# KiCad board boatcontrol.kicad_pcb (continued)
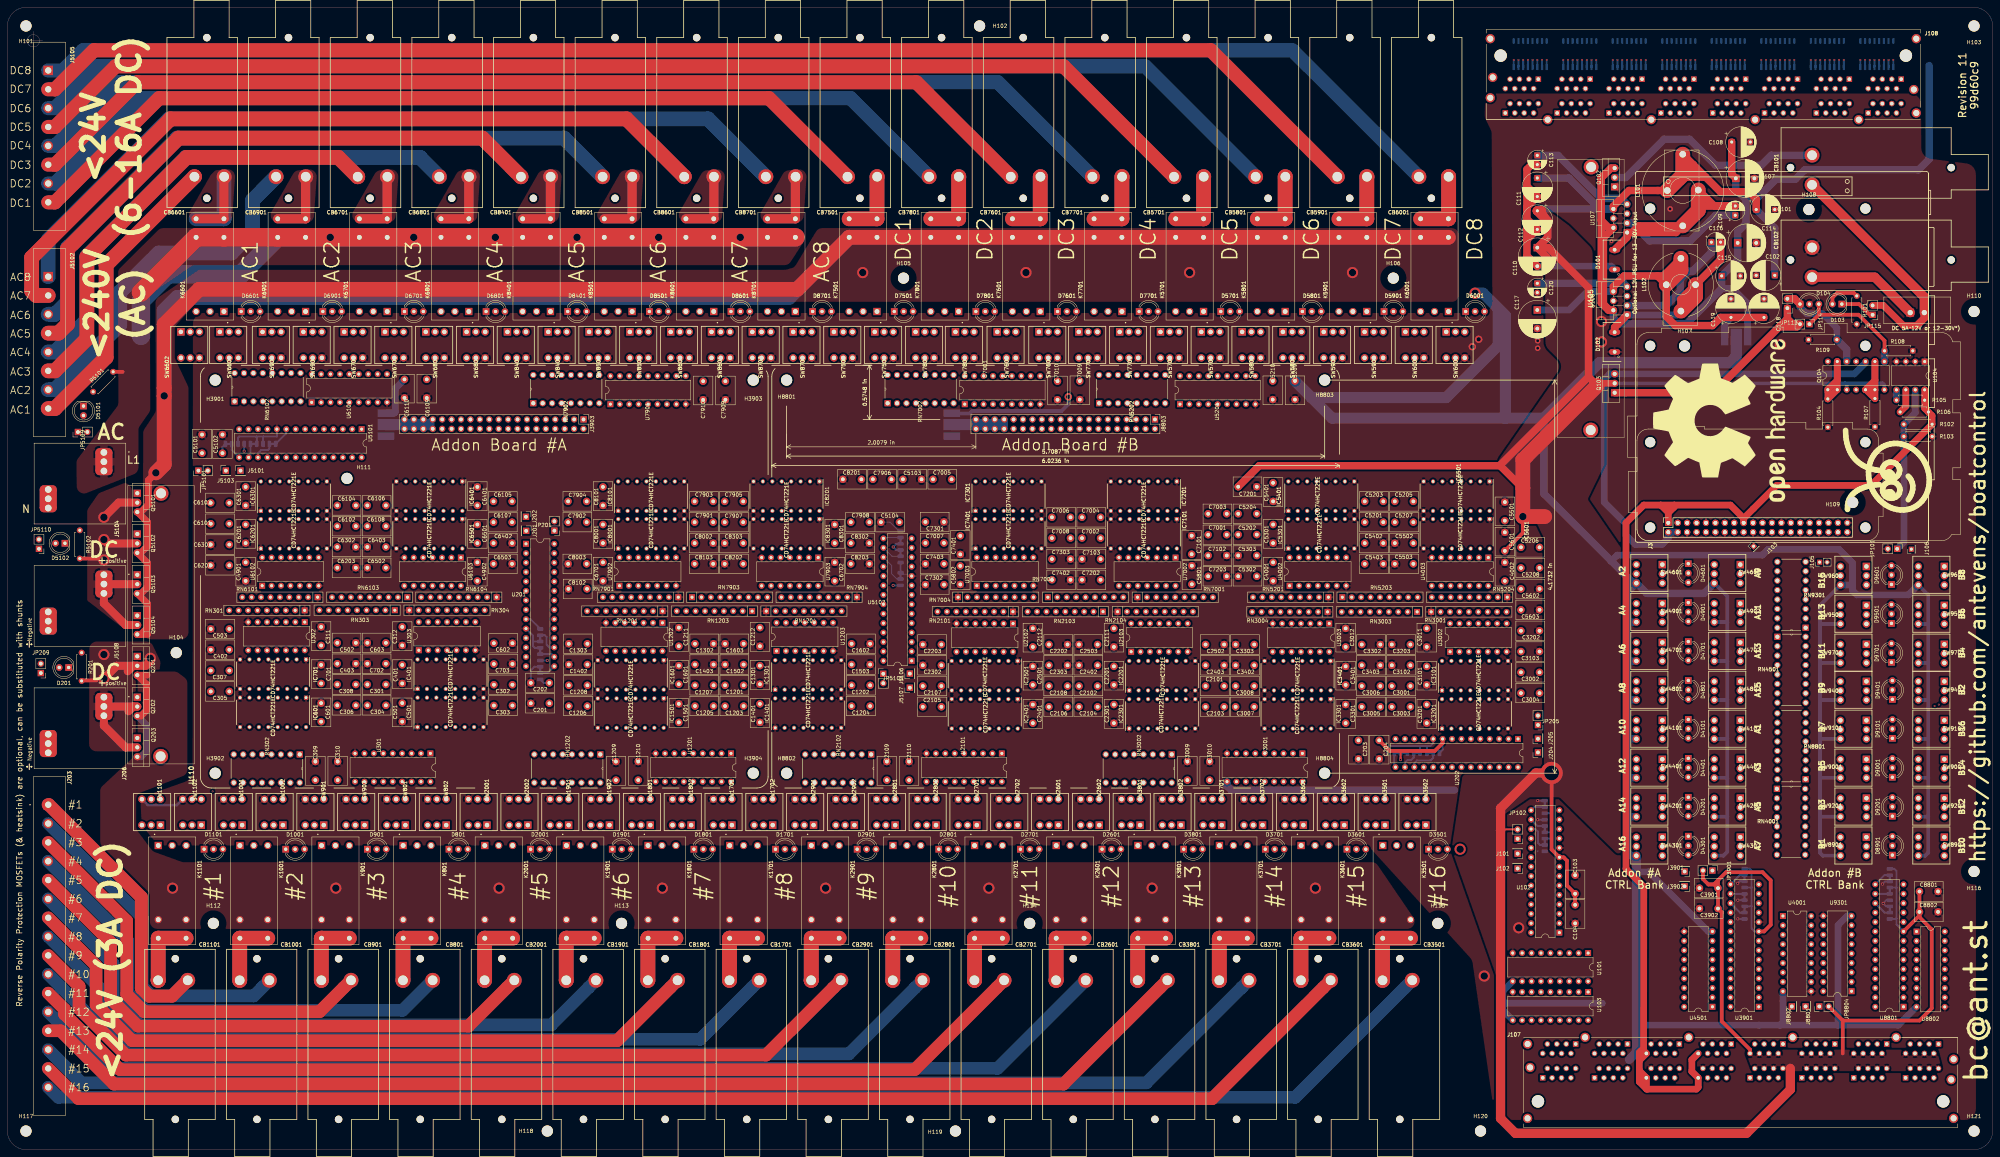
[diagram p0: board, top side]
## Routing (per net, layer and track width the routed paths; a pad name or vN(x,y) marks a point on that pad's centre or on a via; arc(x,y) is an arc through that point) (continued)
  In1.Cu w0.25: IC6301.11 81,177.31 IC6301.4
Net-(IC6301-Pad12): length 10
  In1.Cu w0.25: IC6301.3 78.47,177.31 IC6301.12
Net-(IC6401-Pad2): length 21.7
  In1.Cu w0.25: U6103.3 119.11,161.64 119.11,179.23 IC6401.2
Net-(IC6401-Pad10): length 13.5
  In1.Cu w0.25: 107.35,172.23 108.3,171.29 108.3,160.85 U6103.6
Net-(IC6401-Pad11): length 10
  In1.Cu w0.25: IC6401.4 109.9,175.09 IC6401.11
Net-(IC6401-Pad12): length 10
  In1.Cu w0.25: IC6401.3 112.44,175.09 IC6401.12
Net-(IC6501-Pad2): length 28.2
  In1.Cu w0.25: U6103.8 109.83,154.9 v4(110.4,154.9)
  In2.Cu w0.25: v4(110.4,154.9) 114.82,154.9 118.4,158.48 118.4,160.4 117.8,161 117.21,161 116.57,161.63 116.57,163.12 120.06,166.6 IC6501.2
Net-(IC6501-Pad10): length 15.4
  In1.Cu w0.25: U6103.11 110.96,155.65 109.22,155.65 105.76,159.11 105.76,160.49 107.35,162.08
Net-(IC6501-Pad11): length 10
  In1.Cu w0.25: IC6501.4 114.97,167.16 IC6501.11
Net-(IC6501-Pad12): length 10
  In1.Cu w0.25: IC6501.3 117.51,167.16 IC6501.12
Net-(IC7101-Pad2): length 12.1
  In2.Cu w0.25: IC7101.2 312.61,166.75 309.12,163.27 309.12,161.63 309.72,161.04 U7002.3
Net-(IC7101-Pad10): length 3.3
  In1.Cu w0.25: U7002.6 302.1,159.89 IC7101.10
Net-(IC7101-Pad11): length 10
  In2.Cu w0.25: IC7101.4 302.44,164.94 IC7101.11
Net-(IC7101-Pad12): length 10
  In2.Cu w0.25: IC7101.3 304.99,164.94 IC7101.12
Net-(IC7201-Pad2): length 33.5
  In1.Cu w0.25: U7002.8 299.56,155.11 303.4,158.95 303.4,161.25 303.75,161.6 v4(303.75,163.16)
  In2.Cu w0.25: v4(303.75,163.16) 303.75,164.55 308.85,169.65 308.85,175.62 312.61,179.37 IC7201.2
Net-(IC7201-Pad10): length 34.3
  In1.Cu w0.25: v4(298.26,165.65) 298.51,165.9 308.35,165.9 v4(308.73,165.53) ; v4(306.28,163.16) 306.28,161.27 305.91,160.9 305.91,158.34 307.18,157.07 U7002.11
  In2.Cu w0.25: v4(306.28,163.16) 308.64,165.53 v4(308.73,165.53) ; IC7201.10 301.21,170.93 301.21,168.6 v4(298.26,165.65)
Net-(IC7201-Pad11): length 10
  In2.Cu w0.25: IC7201.11 302.44,175.09 IC7201.4
Net-(IC7201-Pad12): length 10
  In2.Cu w0.25: IC7201.3 304.99,175.09 IC7201.12
Net-(IC7301-Pad2): length 24.2
  In1.Cu w0.25: v4(263.9,165.8) 262.2,164.1 262.2,161.35 262.65,160.9 264.3,160.9 265.05,160.15 265.05,153.33 U7003.3
  In2.Cu w0.25: IC7301.2 263.44,171.43 264.39,170.49 264.39,166.29 v4(263.9,165.8)
Net-(IC7301-Pad10): length 35.3
  In1.Cu w0.25: v4(273.95,154) 273.95,157.93 272.7,159.18 272.7,160.9 272.45,161.15 v4(272.45,165.15)
  In2.Cu w0.25: v4(272.45,165.15) 269.12,165.15 268.77,165.51 268.77,166.11 272.35,169.69 272.35,173.15 276.14,176.94 276.14,180.17 ; U7003.6 v4(273.95,154)
Net-(IC7301-Pad11): length 10
  In2.Cu w0.25: 268.52,172.23 268.52,175.09 IC7301.11
Net-(IC7301-Pad12): length 10
  In2.Cu w0.25: IC7301.3 265.99,175.09 IC7301.12
Net-(IC7401-Pad2): length 14
  In2.Cu w0.25: IC7401.2 264.58,160.95 275.21,160.95 U7003.8
Net-(IC7401-Pad10): length 13.9
  In1.Cu w0.25: U7003.11 269.8,160.6 269.8,164.62 v4(270.99,165.81)
  In2.Cu w0.25: 276.14,170.02 275.2,170.02 v4(270.99,165.81)
Net-(IC7401-Pad11): length 10
  In1.Cu w0.25: v4(269.39,165.81) 268.52,164.94 268.52,162.08
  In2.Cu w0.25: IC7401.11 v4(269.39,165.81)
Net-(IC7401-Pad12): length 10
  In1.Cu w0.25: v4(266.82,165.78) 265.99,164.94 IC7401.3
  In2.Cu w0.25: IC7401.12 v4(266.82,165.78)
Net-(IC8001-Pad2): length 11.2
  In1.Cu w0.25: U7902.3 170.03,157.17 168.75,158.45 168.75,160.48 IC8001.2
Net-(IC8001-Pad10): length 20.5
  In1.Cu w0.25: IC8001.10 178.9,169.08 178.9,161.85 178.05,161 177.24,161 176.3,160.06 176.3,159.19 177.65,157.84 U7902.6
Net-(IC8001-Pad11): length 10
  In1.Cu w0.25: IC8001.4 177.31,167.16 IC8001.11
Net-(IC8001-Pad12): length 10
  In1.Cu w0.25: IC8001.3 174.76,167.16 174.76,170.02
Net-(IC8101-Pad2): length 27.4
  In1.Cu w0.25: v4(175.6,157.2) 173.21,157.2 171.3,159.11 171.3,160.6 170.9,161 168.93,161 168.4,161.53 168.4,170.98 IC8101.2
  In2.Cu w0.25: v4(175.6,157.2) 178.85,157.2 180.19,158.54 U7902.8
Net-(IC8101-Pad10): length 24.4
  In1.Cu w0.25: U7902.11 173.9,161 175.4,161 176.05,161.65 176.05,162.8 178.4,165.15 178.4,172.62 179.84,174.06 v4(179.84,176)
  In2.Cu w0.25: IC8101.10 v4(179.84,176)
Net-(IC8101-Pad11): length 11
  In1.Cu w0.25: v4(177.31,176) 174.7,173.4 173.39,173.4 IC8101.4 172.22,172.38
  In2.Cu w0.25: IC8101.11 v4(177.31,176)
Net-(IC8101-Pad12): length 10.9
  In1.Cu w0.25: 169.69,172.34 IC8101.3 171.36,173.9 172.7,173.9 v4(174.76,175.97)
  In2.Cu w0.25: 174.76,180.17 v4(174.76,175.97)
Net-(IC8201-Pad2): length 23
  In1.Cu w0.25: U7903.3 215.05,161.28 215.05,165.2 217.9,168.06 217.9,174.5 v4(216.35,176.05)
  In2.Cu w0.25: IC8201.2 216.31,176.09 v4(216.35,176.05)
Net-(IC8201-Pad10): length 13.5
  In1.Cu w0.25: 203.6,172.23 205,170.84 v4(205,163.3)
  In2.Cu w0.25: v4(205,163.3) 205,160.45 U7903.6
Net-(IC8201-Pad11): length 10.8
  In1.Cu w0.25: v4(211.25,176.05) 209.96,176.05 IC8201.11
  In2.Cu w0.25: 211.22,180.17 211.22,176.07 v4(211.25,176.05)
Net-(IC8201-Pad12): length 10.8
  In1.Cu w0.25: IC8201.12 212.5,176.05 v4(213.8,176.05)
  In2.Cu w0.25: v4(213.8,176.05) 213.76,176.09 213.76,180.17
Net-(IC8301-Pad2): length 24.3
  In1.Cu w0.25: U7903.8 203.26,155.35 203.25,155.36 207.16,159.28 207.16,160.36 207.75,160.95 209.25,160.95 209.95,161.65 209.95,162.64 215.67,168.37 215.67,169.39 IC8301.2
Net-(IC8301-Pad10): length 13.1
  In2.Cu w0.25: 203.6,162.08 204.5,161.19 204.5,158.41 U7903.11
Net-(IC8301-Pad11): length 10
  In1.Cu w0.25: 211.22,170.02 211.22,167.16 IC8301.11
Net-(IC8301-Pad12): length 10
  In1.Cu w0.25: 213.76,170.02 213.76,167.16 IC8301.12
Net-(J101-Pad1): length 4.3
  In1.Cu w0.25: J101.1 409.07,79.8 U102.19
Net-(J102-Pad1): length 4.9
  In1.Cu w0.25: U102.20 407.61,75.8 J102.1
Net-(J103-Pad1): length 15.9
  In2.Cu w0.25: J103.1 471.55,162.7 472.33,163.47 472.33,164.4 471.98,164.75 462.03,164.75 J3.12
Net-(J105-Pad1): length 18.3
  In1.Cu w0.25: J105.1 487.22,158.4 485.41,160.21 479.91,160.21 478.32,161.8 476.59,161.8 475.54,162.85 J3.24
Net-(J105-Pad2): length 17.9
  In1.Cu w0.25: J3.26 478.08,162.75 480.12,160.71 488.09,160.71 J105.2
Net-(J106-Pad1): length 53.1
  In1.Cu w0.25: J3.18 469.19,167.75 471.04,167.75 471.7,167.09 471.7,165.99 476.39,161.3 478.12,161.3 479.7,159.71 485.2,159.71 487.5,157.42 487.5,157.35 492.06,157.35 495.24,160.52 512.65,160.52 513.1,160.97 J106.1
Net-(J107-PadA_1): length 19.7
  In1.Cu w0.25: U101.14 417.2,44.02 417.2,37.8 419.74,35.26 419.74,32.36 422.64,29.46 J107.A_1
Net-(J107-PadA_3): length 19.7
  In1.Cu w0.25: U101.13 414.48,44.2 414.48,37.98 417.2,35.25 417.2,31.37 J107.A_3
Net-(J107-PadA_5): length 19.7
  In1.Cu w0.25: J107.A_5 414.5,31.54 414.5,35.42 412.12,37.79 412.12,44.02 U101.12
Net-(J107-PadA_7): length 19.7
  In1.Cu w0.25: U101.11 409.4,44.2 409.4,37.98 412.12,35.25 412.12,31.37 J107.A_7
Net-(J107-PadB_1): length 21.3
  In1.Cu w0.25: J107.B_1 436.62,29.46 427.18,38.9 427.18,44.2 U101.18
Net-(J107-PadB_3): length 21.3
  In1.Cu w0.25: J107.B_3 424.64,37.91 424.64,44.2 U101.17
Net-(J107-PadB_5): length 21.8
  In1.Cu w0.25: U101.16 422.1,44.2 422.1,37.98 424.64,35.44 424.64,34.51 429.93,29.21 430.8,29.21 J107.B_5
Net-(J107-PadB_7): length 22
  In1.Cu w0.25: J107.B_7 428.26,29.21 428.26,29.59 425.96,31.88 424.72,31.88 422.28,34.32 422.28,35.22 419.74,37.76 419.74,42.88 418.38,44.25 U101.15
Net-(J107-PadI_1): length 17.8
  In2.Cu w0.25: U103.11 411.3,31.8 411.3,23.57 413.75,21.12 J107.I_1
Net-(J107-PadI_3): length 17.8
  In2.Cu w0.25: J107.I_3 416.3,24.28 415,25.58 415,26.85 412.5,29.35 412.5,33.14 U103.12
Net-(J107-PadI_5): length 17.8
  In2.Cu w0.25: J107.I_5 418.83,22.27 417.72,23.38 417.72,26.15 416.45,27.42 416.45,31.73 U103.13
Net-(J107-PadI_7): length 17.8
  In2.Cu w0.25: J107.I_7 421.38,22.27 420.26,23.38 420.26,26.15 418.68,27.73 418.68,31.54 415.84,34.38 U103.14
Net-(J107-PadJ_1): length 19.4
  In2.Cu w0.25: U103.15 421.5,31.76 421.5,27.5 427.73,21.27 J107.J_1
Net-(J107-PadJ_3): length 20.6
  In2.Cu w0.25: U103.16 423.92,31.88 425.96,31.88 427.88,29.96 427.88,27.42 429.15,26.15 429.15,23.38 430.26,22.27 J107.J_3
Net-(J107-PadJ_5): length 19.9
  In2.Cu w0.25: U103.17 424.26,34.08 425.03,34.08 430.11,29 430.11,27.73 431.69,26.15 431.69,23.38 432.81,22.27 J107.J_5
Net-(J107-PadJ_7): length 20.1
  In2.Cu w0.25: J107.J_7 435.35,22.58 434.23,23.69 434.23,26.15 432.96,27.42 432.96,29.05 427.13,34.88 U103.18
Net-(J108-PadA_1): length 17.8
  In2.Cu w0.25: J108.A_1 500.49,279.53 499.36,280.67 v8(499.36,293.85)
  Bottom w0.508: v8(499.36,293.85) 499.36,291.85
Net-(J108-PadA_3): length 19.7
  In2.Cu w0.25: J108.A_3 504.02,283.3 503.21,284.11 500.93,284.11 499.86,285.18 499.86,293.08 v8(500.62,293.85)
  Bottom w0.508: v8(500.62,293.85) RN108.7
Net-(J108-PadA_5): length 33.3
  In2.Cu w0.25: v8(501.89,293.85) 503.02,294.98 508.75,294.98 509.43,294.3 509.43,293.08 512.22,290.28 512.22,287.46 511.85,287.08 511.85,280.17 509.56,277.88 507.16,277.88 506.56,278.48 J108.A_5
  Bottom w0.508: v8(501.89,293.85) RN108.6
Net-(J108-PadA_7): length 25
  In2.Cu w0.25: v8(503.16,293.85) 503.79,294.48 508.55,294.48 508.93,294.09 508.93,292.87 511.72,290.08 511.72,287.66 510.45,286.39 510.45,285.5 509.1,284.15 J108.A_7
  Bottom w0.508: v8(503.16,293.85) RN108.5
Net-(J108-PadB_1): length 16.9
  In2.Cu w0.25: v8(486.01,293.85) 486.01,282.02 487.51,280.52 J108.B_1
  Bottom w0.508: v8(486.01,293.85) RN107.8
Net-(J108-PadB_3): length 25.7
  In2.Cu w0.25: v8(487.28,293.85) 487.28,294.2 487.01,294.48 485.71,294.48 485.39,294.15 485.39,278.82 486.45,277.76 488.28,277.76 J108.B_3
  Bottom w0.508: v8(487.28,293.85) RN107.7
Net-(J108-PadB_5): length 32.2
  In2.Cu w0.25: v8(488.55,293.85) 489.68,294.98 495.41,294.98 498.51,291.88 498.51,280.67 496.25,278.42 493.7,278.42 J108.B_5
  Bottom w0.508: v8(488.55,293.85) RN107.6
Net-(J108-PadB_7): length 25.5
  In2.Cu w0.25: J108.B_7 496.18,279.53 498.01,281.36 498.01,291.67 495.2,294.48 490.45,294.48 v8(489.82,293.85)
  Bottom w0.508: v8(489.82,293.85) RN107.5
Net-(J108-PadC_1): length 18.3
  In2.Cu w0.25: v8(472.67,293.85) 471.47,292.65 471.47,280.61 472.55,279.53 J108.C_1
  Bottom w0.508: v8(472.67,293.85) RN106.8
Net-(J108-PadC_3): length 19.9
  In2.Cu w0.25: v8(473.94,293.85) 473.94,291.03 471.97,289.06 471.97,285.5 472.99,284.49 474.77,284.49 476.08,283.17 J108.C_3
  Bottom w0.508: v8(473.94,293.85) RN106.7
Net-(J108-PadC_5): length 32.2
  In2.Cu w0.25: J108.C_5 480.14,278.01 481.7,278.01 484.54,280.85 484.54,292.5 482.07,294.98 476.33,294.98 v8(475.21,293.85)
  Bottom w0.508: v8(475.21,293.85) RN106.6
Net-(J108-PadC_7): length 25.5
  In2.Cu w0.25: v8(476.48,293.85) 477.1,294.48 481.86,294.48 484.04,292.3 484.04,281.06 482.51,279.53 J108.C_7
  Bottom w0.508: v8(476.48,293.85) RN106.5
Net-(J108-PadD_1): length 17.3
  In2.Cu w0.25: J108.D_1 459.57,281.27 458.26,282.58 458.26,292.78 v8(459.33,293.85)
  Bottom w0.508: v8(459.33,293.85) RN105.8
Net-(J108-PadD_3): length 25.7
  In2.Cu w0.25: v8(460.6,293.85) 459.97,294.48 458.97,294.48 457.76,293.26 457.76,278.64 458.64,277.76 460.34,277.76 J108.D_3
  Bottom w0.508: v8(460.6,293.85) RN105.7
Net-(J108-PadD_5): length 31.3
  In2.Cu w0.25: J108.D_5 465.76,278.42 468.06,278.42 470.31,280.67 470.31,293.39 468.72,294.98 462.99,294.98 v8(461.87,293.85)
  Bottom w0.508: v8(461.87,293.85) RN105.6
Net-(J108-PadD_7): length 24.8
  In2.Cu w0.25: J108.D_7 468.24,279.53 469.81,281.11 469.81,293.18 468.52,294.48 463.76,294.48 v8(463.14,293.85)
  Bottom w0.508: v8(463.14,293.85) RN105.5
Net-(J108-PadE_1): length 18.7
  In2.Cu w0.25: v8(445.98,293.85) 443.66,291.53 443.66,280.49 444.62,279.53 J108.E_1
  Bottom w0.508: v8(445.98,293.85) RN104.8
Net-(J108-PadE_3): length 20.1
  In2.Cu w0.25: v8(447.25,293.85) 447.25,291.9 444.16,288.81 444.16,285.5 445.3,284.36 446.7,284.36 448.15,282.91 J108.E_3
  Bottom w0.508: v8(447.25,293.85) RN104.7
Net-(J108-PadE_5): length 31.3
  In2.Cu w0.25: J108.E_5 451.8,278.42 453.87,278.42 456.72,281.27 456.72,293.63 455.38,294.98 449.65,294.98 v8(448.52,293.85)
  Bottom w0.508: v8(448.52,293.85) RN104.6
Net-(J108-PadE_7): length 25.1
  In2.Cu w0.25: J108.E_7 454.28,279.53 456.22,281.48 456.22,293.42 455.17,294.48 450.07,294.48 449.79,294.2 v8(449.79,293.85)
  Bottom w0.508: v8(449.79,293.85) RN104.5
Net-(J108-PadF_1): length 18.9
  In2.Cu w0.25: J108.F_1 430.65,279.53 429.69,280.49 429.69,286.85 430.83,288 430.83,289.78 432.64,291.58 v8(432.64,293.85)
  Bottom w0.508: v8(432.64,293.85) RN103.8
Net-(J108-PadF_3): length 20.5
  In2.Cu w0.25: J108.F_3 434.18,283.16 432.73,284.62 431.08,284.62 430.19,285.5 430.19,286.65 431.33,287.79 431.33,289.57 433.91,292.15 v8(433.91,293.85)
  Bottom w0.508: v8(433.91,293.85) RN103.7
Net-(J108-PadF_5): length 30.9
  In2.Cu w0.25: J108.F_5 437.83,278.42 439.9,278.42 442.66,281.17 442.66,294.36 442.04,294.98 436.31,294.98 v8(435.18,293.85)
  Bottom w0.508: v8(435.18,293.85) RN103.6
Net-(J108-PadF_7): length 24.5
  In2.Cu w0.25: J108.F_7 440.31,279.53 442.16,281.38 442.16,294.15 441.83,294.48 437.08,294.48 v8(436.45,293.85)
  Bottom w0.508: v8(436.45,293.85) RN103.5
Net-(J108-PadG_1): length 19.2
  In2.Cu w0.25: J108.G_1 416.67,279.53 415.72,280.48 415.72,288.12 419.3,291.7 v8(419.3,293.85)
  Bottom w0.508: v8(419.3,293.85) RN102.8
Net-(J108-PadG_3): length 20.5
  In2.Cu w0.25: v8(420.57,293.85) 420.57,292.27 416.22,287.92 416.22,285.5 417.62,284.11 418.89,284.11 420.2,282.79 J108.G_3
  Bottom w0.508: v8(420.57,293.85) RN102.7
Net-(J108-PadG_5): length 33
  In2.Cu w0.25: v8(421.84,293.85) 423.39,295.4 428.75,295.4 429.55,294.6 429.55,287.96 428.51,286.92 428.51,280.14 426.25,277.88 424.39,277.88 J108.G_5
  Bottom w0.508: v8(421.84,293.85) RN102.6
Net-(J108-PadG_7): length 25.6
  In2.Cu w0.25: v8(423.11,293.86) 424.15,294.9 428.54,294.9 429.05,294.39 429.05,288.17 428.01,287.13 428.01,281.21 426.33,279.53 J108.G_7
  Bottom w0.508: v8(423.11,293.86) RN102.5
Net-(J108-PadH_1): length 18.3
  In2.Cu w0.25: v8(405.95,293.85) 405.95,293.4 403.39,290.84 403.39,288.3 402.39,287.3 402.38,281.95 403.69,280.63 J108.H_1
  Bottom w0.508: v8(405.95,293.85) RN101.8
Net-(J108-PadH_3): length 27.2
  In2.Cu w0.25: J108.H_3 406.23,278.48 405.63,277.88 402.63,277.88 401.87,278.65 401.89,287.3 401.89,287.5 402.89,288.51 402.89,291.71 405.65,294.48 406.6,294.48 v8(407.23,293.85)
  Bottom w0.508: v8(407.23,293.85) RN101.7
Net-(J108-PadH_5): length 32.3
  In2.Cu w0.25: J108.H_5 409.88,278.42 411.95,278.42 414.54,281 414.54,287.81 416.35,289.62 416.35,290.08 416.34,294.35 415.28,295.4 410.05,295.4 v8(408.5,293.85)
  Bottom w0.508: v8(408.5,293.85) RN101.6
Net-(J108-PadH_7): length 25.9
  In2.Cu w0.25: J108.H_7 412.36,279.53 414.04,281.21 414.04,288.02 415.84,289.82 415.84,294.14 415.08,294.9 410.82,294.9 v8(409.76,293.85)
  Bottom w0.508: v8(409.76,293.85) RN101.5
Net-(J201-Pad1): length 30.1
  In2.Cu w0.25: J201.1 140.9,166.85 141.85,165.9 141.85,146.01 U201.19
Net-(J202-Pad1): length 31.4
  In2.Cu w0.25: U201.20 142.35,148.05 142.35,169.15 140.85,170.65 J202.1
Net-(J204-Pad1): length 30.5
  In2.Cu w0.25: U202.19 385.42,104.3 410.79,104.3 412.48,105.99 J204.1
Net-(J205-Pad1): length 35.6
  In2.Cu w0.25: J205.1 413.58,110.79 414.02,110.35 414.02,105.77 410.2,101.95 387.96,101.95 U202.20
Net-(J206-Pad2_1): length 76.1
  In1.Cu w1: JP209.1 9,114 J206.2_1 J206.2_3
  In2.Cu w2: J206.2_2 24.45,109.5 29.9,114.95 31,114.95 ; 31,121 31,132 32,133 Q201.1 ; 31,121 31,114.95 ; 31,121 32,122 Q202.1 ; Q203.1 34.95,111 31,114.95
Net-(J3903-Pad33): length 23
  Bottom w1.8: J3903.33 113.6,195.88 ; 113.6,195.88 113.6,195.5 ; 113.6,195.88 113.6,195.38 J3903.34
  Bottom w2: J3903.35 J3903.36 ; J3903.37 J3903.38 ; J3903.39 J3903.40
  Bottom w3: JP8701.2 113.6,195.5
Net-(J5101-Pad1): length 11.3
  In2.Cu w0.25: U5101.19 69.05,183.09 J5101.1
Net-(J5103-Pad1): length 19.6
  In2.Cu w0.25: U5101.20 70.1,181.6 59.26,181.6 58.87,181.99 J5103.1
Net-(J5104-Pad2_1): length 19.9
  In2.Cu w1: JP5109.1 17.15,193.5 11,187.35 J5104.2_1
Net-(J5106-Pad1): length 35.7
  In2.Cu w0.25: U5102.19 232.63,151.21 232.63,140.22 234.4,138.44 234.4,131.03 235.88,129.55 237.59,129.55 238.79,128.35 J5106.1
Net-(J5107-Pad1): length 39.2
  In2.Cu w0.25: J5107.1 243.2,125.65 244.45,126.9 244.45,129.48 243.88,130.05 236.09,130.05 234.9,131.24 234.9,138.65 233.13,140.43 233.13,150.3 234.95,152.12 U5102.20
Net-(J5108-Pad2_1): length 87.5
  In1.Cu w1: J5108.2_1 11,161.35 10.35,162 JP5110.1
  In2.Cu w2: Q5104.1 32,144 31.4,144.6 ; 31.4,165.5 31.4,155.6 ; 31.4,165.5 31.9,166 Q5102.1 ; 31.4,165.5 31.4,176.4 32,177 Q5101.1 ; 31.4,155.6 32,155 Q5103.1 ; 31.4,155.6 31.4,144.6 ; 31.4,144.6 29.3,142.5 J5108.2_2
Net-(J8803-Pad33): length 23.7
  Bottom w2: J8803.33 J8803.34 ; J8803.35 J8803.36 ; J8803.37 J8803.38 ; J8803.39 J8803.40
  Bottom w3: JP210.2 268,195.5
Net-(JP101-Pad1): length 44.9
  Bottom w1.8: U104.7 514.16,198.68 R102.2 511.08,192.32 R103.1 511.1,163.8 JP101.1
Net-(JP102-Pad1): length 3.7
  In1.Cu w0.25: JP102.1 407.1,83.9 U102.18
Net-(JP103-Pad2): length 7.2
  Bottom w0.508: U102.17 411.76,86.44 412.5,85.7 412.5,82.69 413.04,82.15 JP103.2
Net-(JP104-Pad2): length 4.4
  Bottom w0.508: U102.16 412.36,87.25 JP104.2
Net-(JP105-Pad2): length 4
  Bottom w0.508: U102.15 411.51,92.4 JP105.2
Net-(JP113-Pad1): length 67.8
  Top w1.8: JP114.2 482.26,221.75 477.35,221.75
  Top w2: JP114.2 481.15,222.6 479.7,224.05 ; 479.7,224.05 JP113.1 ; 479.7,224.05 459.75,204.1 Q103.1
Net-(JP201-Pad1): length 32.1
  In2.Cu w0.25: U201.18 148.55,139.13 148.55,143.59 147.93,144.21 147,144.21 146.19,145.01 146.19,166.79 146.3,166.9 JP201.1
Net-(JP202-Pad2): length 6.4
  Bottom w0.508: JP202.2 144.86,138.7 145.3,138.26 145.3,136.15 146.04,135.41 U201.17
Net-(JP203-Pad2): length 4.1
  Bottom w0.508: JP203.2 146.64,133.6 U201.16
Net-(JP204-Pad2): length 4.5
  Bottom w0.508: U201.15 145.54,128.5 JP204.2
Net-(JP205-Pad1): length 39.7
  In2.Cu w0.25: JP205.1 411.38,114.49 410.7,113.81 410.7,106.65 408.85,104.8 383.38,104.8 U202.18
Net-(JP206-Pad2): length 8.1
  Bottom w0.508: U202.17 379.17,104.25 379.87,104.95 383.55,104.95 384.25,105.65 JP206.2
Net-(JP207-Pad2): length 5.4
  Bottom w0.508: U202.16 376.63,104.33 377.35,105.05 378.31,105.05 379,105.74 JP207.2
Net-(JP208-Pad2): length 4
  Bottom w0.508: U202.15 373.75,103.46 JP208.2
Net-(JP5101-Pad1): length 20.7
  In2.Cu w0.25: U5101.18 68.67,185.25 52.52,185.25 51.46,184.19 JP5101.1
Net-(JP5102-Pad2): length 6
  Bottom w0.508: JP5102.2 70.6,189.04 70.21,188.65 68.4,188.65 67.53,187.78 U5101.17
Net-(JP5103-Pad2): length 3.9
  Bottom w0.508: U5101.16 65.5,187.16 JP5103.2
Net-(JP5104-Pad2): length 4.5
  Bottom w0.508: U5101.15 60.45,188.65 JP5104.2
Net-(JP5105-Pad1): length 33.5
  In2.Cu w0.25: JP5105.1 234.95,128.3 233.9,129.35 233.9,138.24 232.13,140.01 232.13,154.38 234.95,157.2 U5102.18
Net-(JP5106-Pad2): length 8.4
  Bottom w0.25: U5102.17 238.3,157.52 238.3,155.25 239.7,153.85 JP5106.2
Net-(JP5107-Pad2): length 5.6
  Bottom w0.25: U5102.16 238.36,160 JP5107.2
Net-(JP5108-Pad2): length 4.7
  Bottom w0.25: U5102.15 236.31,165.05 JP5108.2
Net-(Q104-Pad1): length 22.3
  Top w1.8: 493.08,204.9 R104.2 Q104.1 493.14,207.44 Q104.13 Q104.2
Net-(Q104-Pad5): length 24.7
  Top w1.8: Q104.6 Q104.9 503.3,207.44 Q104.5 ; Q104.6 R107.2 500.92,204.9 Q104.5 ; Q104.6 Q104.5
Net-(U101-Pad1): length 10.6
  In1.Cu w0.25: U101.1 426,54.05 421.55,58.5 U102.1
Net-(U101-Pad2): length 12.3
  In1.Cu w0.25: U101.2 419.46,57 417.47,57 417.07,57.4 417.07,59.86 U102.2
Net-(U101-Pad3): length 13.2
  In1.Cu w0.25: U101.3 419.74,54.18 419.59,54.18 416.57,57.19 416.57,61.9 U102.3
Net-(U101-Pad4): length 15
  In1.Cu w0.25: U101.4 416.07,55.31 416.07,63.94 U102.4
Net-(U101-Pad5): length 17.3
  In1.Cu w0.25: U101.5 415.04,53.8 415.04,65.45 U102.5
Net-(U101-Pad6): length 20.3
  In1.Cu w0.25: U101.6 413.3,66.25 U102.6
Net-(U101-Pad7): length 23.8
  In1.Cu w0.25: U101.7 410.76,54.13 412.8,56.17 412.8,68.29 U102.7
Net-(U101-Pad8): length 27.4
  In1.Cu w0.25: U101.8 412.3,57.08 412.3,70.33 U102.8
Net-(U102-Pad21): length 42.3
  In2.Cu w0.25: U103.1 426,43.64 424.82,44.82 424.82,53.37 421.2,57 417.47,57 417,57.47 417,69.91 U102.21
Net-(U102-Pad22): length 37.7
  In2.Cu w0.25: U103.2 422.28,43.68 422.28,53.37 419.16,56.5 417.27,56.5 416.5,57.27 416.5,67.87 U102.22
Net-(U102-Pad23): length 33
  In2.Cu w0.25: U102.23 416,65.83 416,57 418.82,54.18 418.94,54.18 419.74,53.37 419.74,43.68 U103.3
Net-(U102-Pad24): length 29.4
  In2.Cu w0.25: U102.24 415.5,63.79 415.5,55.08 417.2,53.37 417.2,43.68 U103.4
Net-(U102-Pad25): length 25.8
  In2.Cu w0.25: U103.5 414.66,43.68 414.66,62.09 U102.25
Net-(U102-Pad26): length 23.1
  In2.Cu w0.25: U102.26 413,61.21 413,54.18 412.74,54.18 412.12,53.56 412.12,43.68 U103.6
Net-(U102-Pad27): length 20.4
  In2.Cu w0.25: U102.27 411.81,59.86 411.81,55.78 409.58,53.56 409.58,43.68 U103.7
Net-(U102-Pad28): length 18
  In2.Cu w0.25: U103.8 407.04,43.68 407.04,54.91 U102.28

## Copper pours and planes (outline as drawn; the poured copper is in the pictures)
+5V on Top: 420.8,249.2 427.2,242.8 427.25,178 421.85,177.1 415.75,178.5 407.35,179.85 400.6,184.15 419.6,211.5 414.5,216.6 414.4,240.1 412.3,242.2 412.3,244.5 414.4,246.6 414.4,249.1 411.5,252.4 411.5,253.9 413.4,254.7
+5V on Top: 430.45,184.8 425.85,175.35 435.15,161.85 435.15,78.5 418.3,95 410.2,95 401.1,88.85 403.4,40.7 389.2,81.1 392.2,101.15 411.9,101.15 414.1,103.35 414.2,164.7 410.35,172.6 410.35,187.6 424.7,202 430.45,207.85
+5V on Top: 521.45,21.15 470.35,21.15 468.2,26.95 519.95,26.95
+5V on Bottom: 428.2,254.9 432.9,253.1 412.3,253.1 412.3,262 421,262.1
+5V on Bottom: 515.8,302.3 519.4,297.45 518.8,287.4 517.3,287.7 514.7,294.4 404.9,294.5 404.9,302.3
GND on Top: 530.5,265.6 530.5,8 400.95,8 394.75,51.15 366.65,82 40.6,82 36.2,87.5 35.8,94.9 49.9,99.9 50,225.6 400.2,225.6 400,274.5 398.1,278.4 398.3,284.8 515.7,284.8 515.8,267.5
GND on Bottom: 530.5,265.6 530.5,8 400.95,8 394.75,51.15 366.65,82 40.6,82 36.2,87.5 35.8,94.85 49.95,99.7 49.6,225.6 399.9,225.7 400,272.7 398.1,278.4 398.1,290.4 515.7,290.4 515.8,267.5
+12C on Top: 48.5,126.7 48.5,101.2 34.7,95.8 34.7,86.4 39.2,80.4 47.2,77.5 368.74,77.5 381,59.5 38.4,59.5 38.4,69.1 25,82.3 25,97.5 35.1,106.9 35.1,128.9 45.6,128.9
+12C on Bottom: 48.5,126.7 48.5,101.2 34.7,95.8 34.7,86.4 39.2,80.4 47.2,77.5 368.74,77.5 381,59.5 38.4,59.5 38.5,64 24.9,77.7 25,97.5 35.1,106.9 35.1,128.9 45.55,128.9
+12L on Top: 391.2,228.6 51.2,228.6 50,227.4 45.1,221.9 45.1,213.4 48.8,205.6 48.8,137.6 36.6,137.6 36.6,150.1 36.5,161.7 36.6,193.8 40,199 39.9,229.3 52.1,237.6 211.9,237.6 218.5,248.5 391.2,248.5
+12L on Bottom: 391.2,248.5 391.2,228.6 50.5,227.9 45.1,221.9 45.1,213.4 48.8,205.6 48.8,137.6 36.6,137.6 36.6,193.8 40.1,199.2 39.7,227.3 44.7,232.2 64.1,232.2 69.5,238.1 211.1,237.6 218.5,248.5
+12P on Bottom: 429.7,213.3 424.9,174.9 437.05,159.1 437,80.05 440.2,76.85 440.2,26.75 427.25,39.6 427,82 418.25,95 410.2,95 404.3,88.45 389.75,76.95 388.8,79.85 389.25,80.35 389.25,101.15 414.2,101.15 414.2,164.7 387.9,196.4 404.97,213.29
+12P on Bottom: 437.3,20.9 414.1,20.9 412.4,27.1 439.65,27.15
+12P on Bottom: 403.35,198.2 356.65,198.1 346.9,207.3 387.1,207.3 403.35,217.9
/12V DC Common Bank/12C_RAW on Top: 41.3,131.5 37.8,107.4 22,107.4 22.1,137 38.7,137
/12V DC Common Bank/12C_RAW on Bottom: 41.3,131.5 37.8,107.4 22,107.4 22.1,137 38.7,137
/Mixed 12V DC / 230V AC Common Bank/12L_RAW on Top: 33.4,138.9 27,143.8 22.1,147.6 21.5,148 21.5,172.5 24.6,177 28.8,178.7 32,180 33.5,178.5
/Mixed 12V DC / 230V AC Common Bank/12L_RAW on Bottom: 33.4,138.9 21.5,148 21.5,172.5 24.6,177 32,180 33.5,178.5
/Mixed 12V DC / 230V AC Common Bank/230V AC 6A Block/6AC1/TO_FUSE on Top: 214.5,250 201.5,250 209.5,264 215.5,264.5
/Mixed 12V DC / 230V AC Common Bank/230V AC 6A Block/6AC1/TO_FUSE on Bottom: 214.5,250.05 201.5,250.05 209.5,264.05 215.5,264.55
/Mixed 12V DC / 230V AC Common Bank/230V AC 6A Block/6AC2/TO_FUSE on Top: 192.5,250 179.5,250 187.5,264 193.5,264.5
/Mixed 12V DC / 230V AC Common Bank/230V AC 6A Block/6AC2/TO_FUSE on Bottom: 192.5,250.05 179.5,250.05 187.5,264.05 193.5,264.55
/Mixed 12V DC / 230V AC Common Bank/230V AC 6A Block/6AC3/TO_FUSE on Top: 170.5,250 157.5,250 165.5,264 171.5,264.5
/Mixed 12V DC / 230V AC Common Bank/230V AC 6A Block/6AC3/TO_FUSE on Bottom: 170.5,250.05 157.5,250.05 165.5,264.05 171.5,264.55
/Mixed 12V DC / 230V AC Common Bank/230V AC 6A Block/6AC4/TO_FUSE on Top: 148.5,250 135.5,250 143.5,264 149.5,264.5
/Mixed 12V DC / 230V AC Common Bank/230V AC 6A Block/6AC4/TO_FUSE on Bottom: 148.5,250.05 135.5,250.05 143.5,264.05 149.5,264.55
/Mixed 12V DC / 230V AC Common Bank/230V AC 10/16A Block/10AC1/TO_FUSE on Top: 126.5,250 113.5,250 121.5,264 127.5,264.5
/Mixed 12V DC / 230V AC Common Bank/230V AC 10/16A Block/10AC1/TO_FUSE on Bottom: 126.5,250.05 113.5,250.05 121.5,264.05 127.5,264.55
/Mixed 12V DC / 230V AC Common Bank/230V AC 10/16A Block/10AC2/TO_FUSE on Top: 104.5,250 91.5,250 99.5,264 105.5,264.5
/Mixed 12V DC / 230V AC Common Bank/230V AC 10/16A Block/10AC2/TO_FUSE on Bottom: 104.5,250.05 91.5,250.05 99.5,264.05 105.5,264.55
/Mixed 12V DC / 230V AC Common Bank/230V AC 10/16A Block/16AC1/TO_FUSE on Top: 82.5,250 69.5,250 77.5,264 83.5,264.5
